# KiCad board PSEC5_Ctrl_Board.kicad_pcb
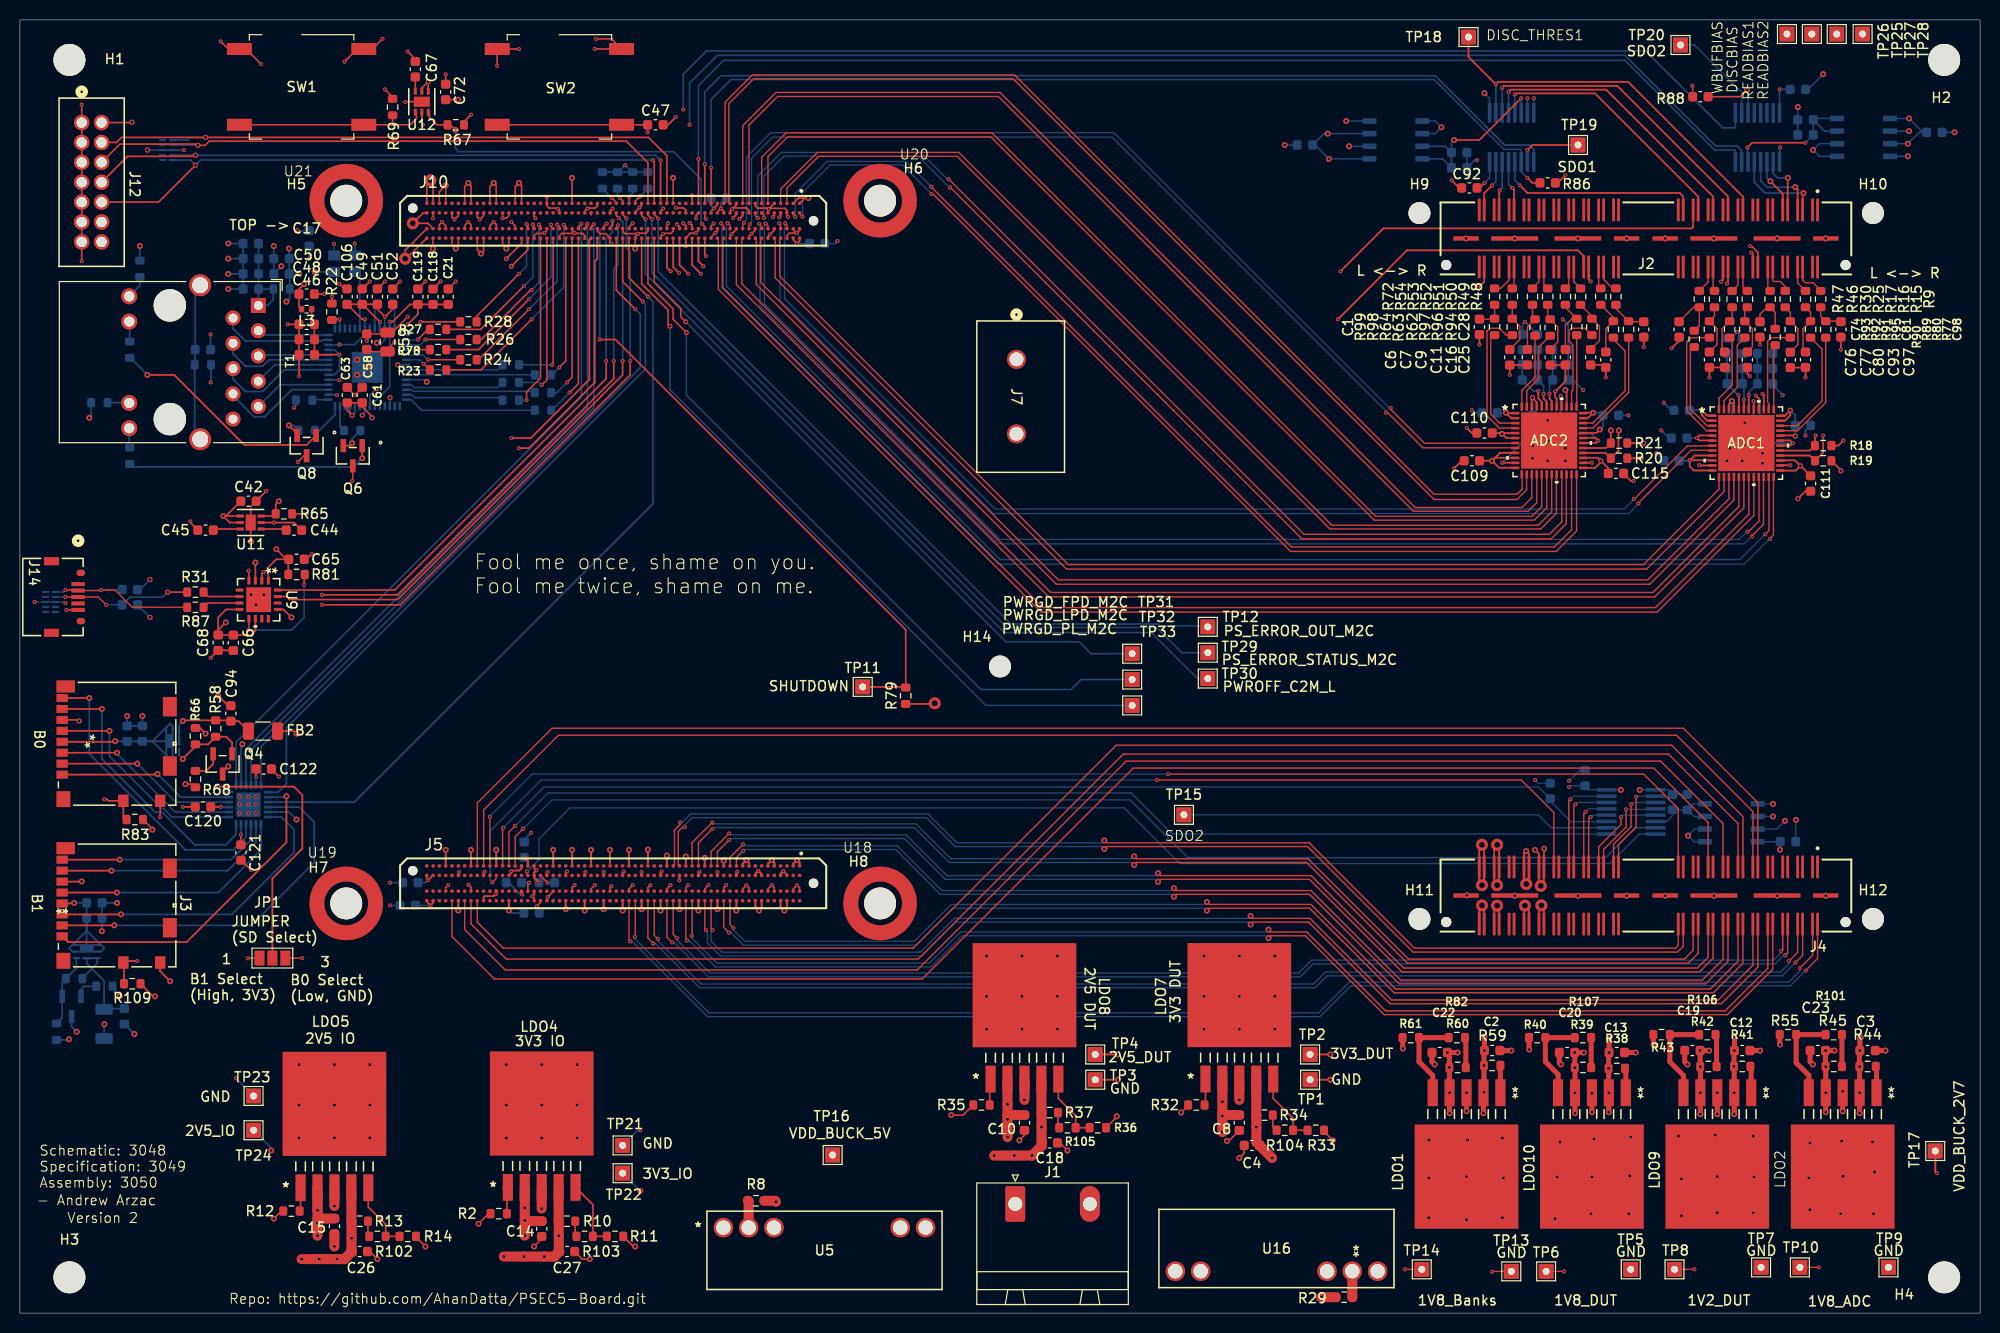
[diagram p0: board, top side]
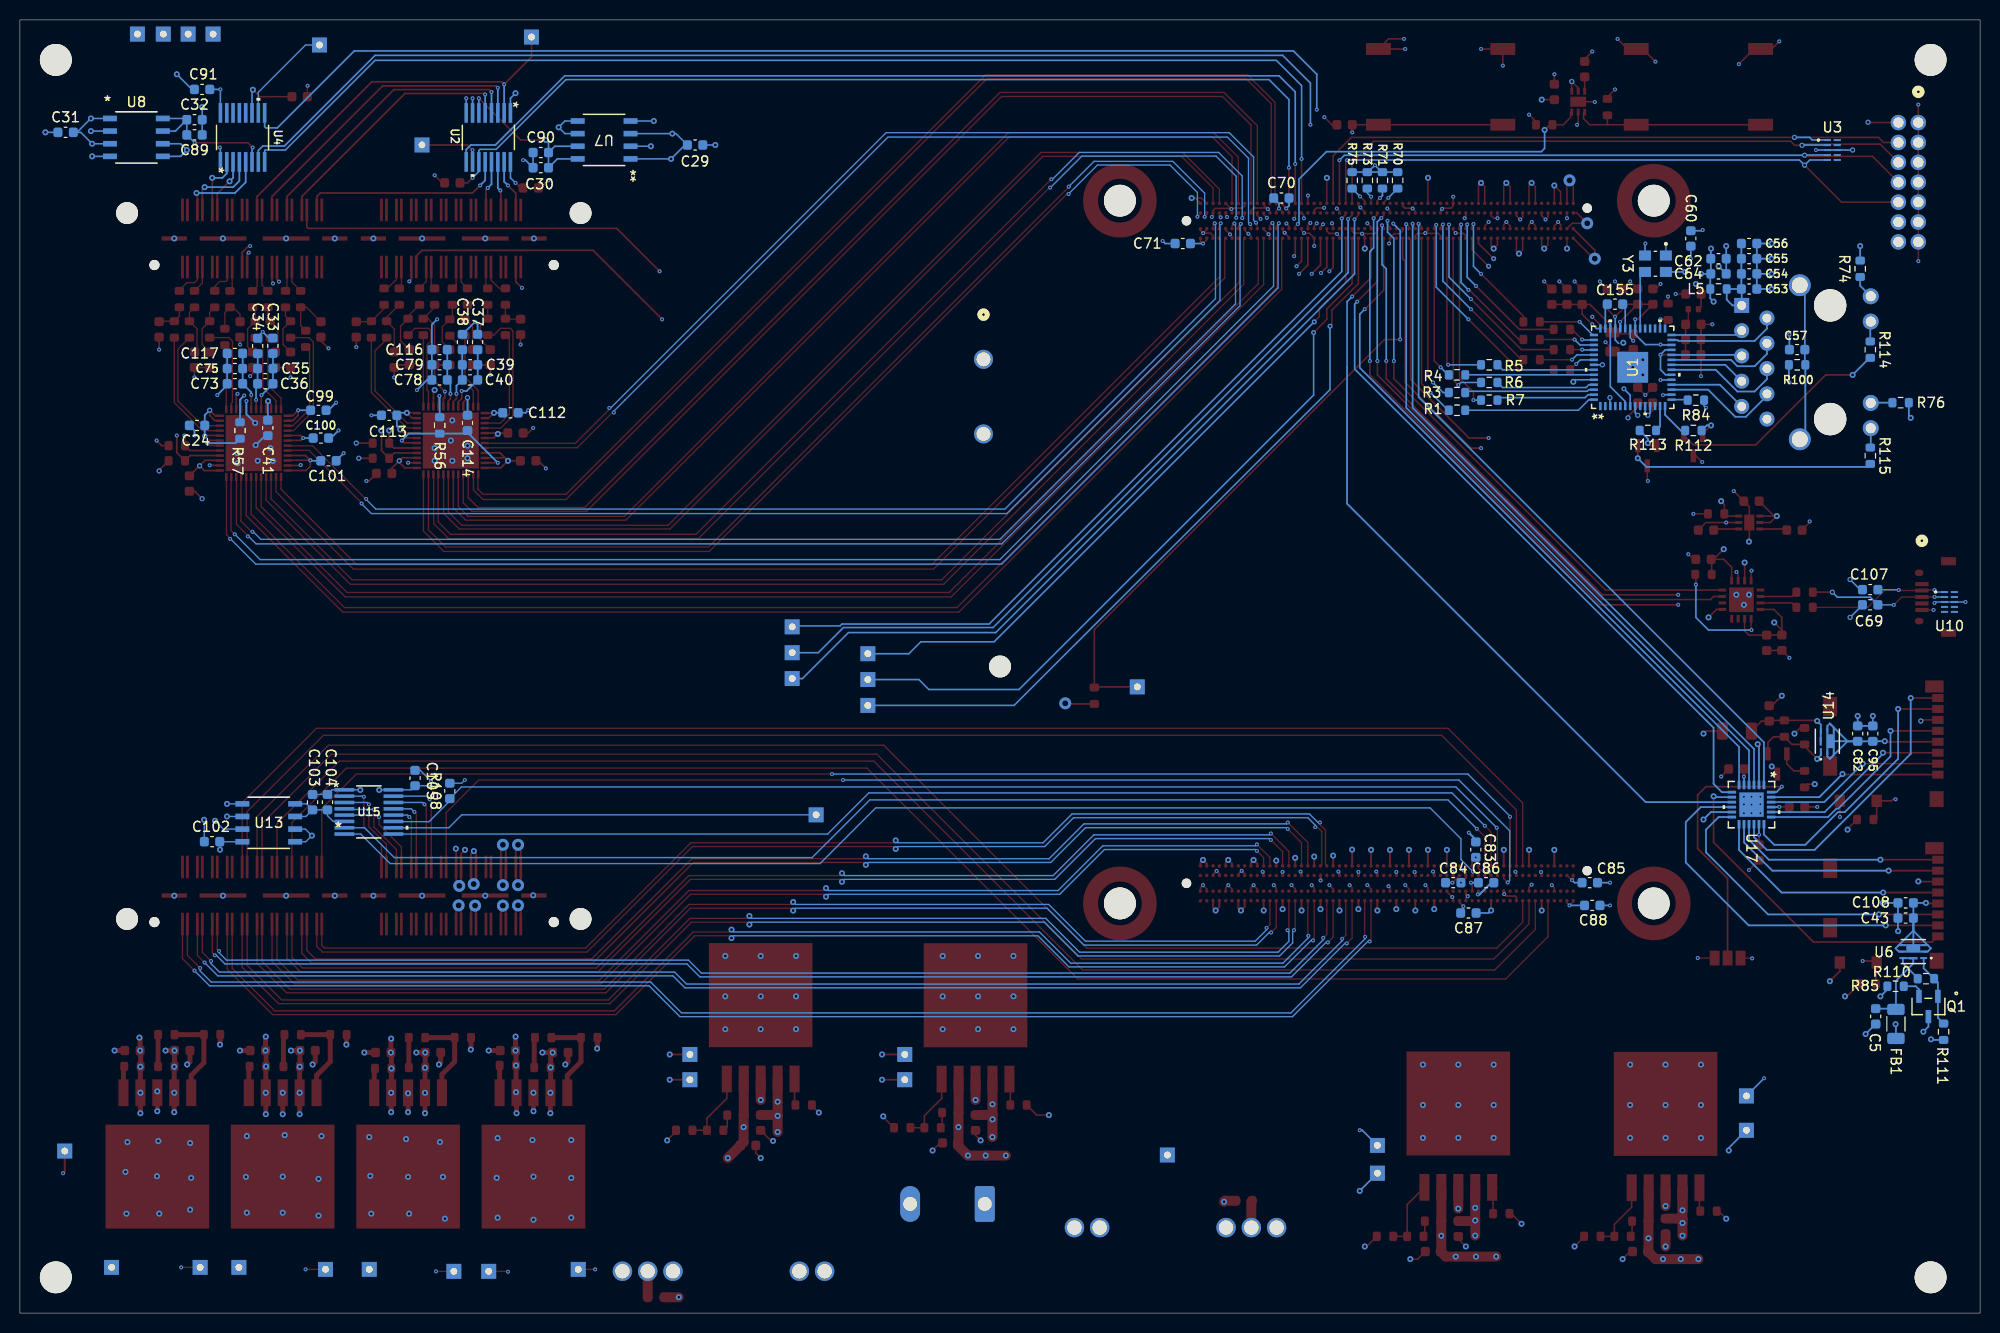
[diagram p1: board, bottom side, seen from below]

Outline 196.98 x 130.02 mm; copper layers: Top, In1.Cu (plane), In2.Cu, In3.Cu (plane), In4.Cu (plane), In5.Cu (plane), In6.Cu (plane), In7.Cu, In8.Cu (plane), Bottom. Coordinates in mm from the lower left corner of the outline.
Outline path: rectangle 0,130.02 196.98,0
Stack: Top 0.0175mm / dielectric 0.0925mm FR4 er 4.5 / In1.Cu 0.035mm / dielectric 0.13mm FR4 er 4.5 / In2.Cu 0.035mm / dielectric 0.196mm FR4 er 4.5 / In3.Cu 0.035mm / dielectric 0.13mm FR4 er 4.5 / In4.Cu 0.035mm / dielectric 0.196mm FR4 er 4.5 / In5.Cu 0.035mm / dielectric 0.13mm FR4 er 4.5 / In6.Cu 0.035mm / dielectric 0.196mm FR4 er 4.5 / In7.Cu 0.035mm / dielectric 0.13mm FR4 er 4.5 / In8.Cu 0.035mm / dielectric 0.0925mm FR4 er 4.5 / Bottom 0.0175mm

## Placement (name value [footprint] x y rotation side)
ADC1  AD9228ABCPZ-65  [CP_48_8_ADI]  173.49 87.47 0 top
ADC2  AD9228ABCPZ-65  [CP_48_8_ADI]  153.68 87.73 0 top
C1  39p  [C_0603_1608Metric]  146.67 99.16 270 top
C2  10u  [C_0603_1608Metric]  147.95 26.4 0 top
C3  10u  [C_0603_1608Metric]  185.68 26.4 0 top
C4  10u  [C_0603_1608Metric]  123.81 16.86 180 top
C5  10u/35V  [C_0603_1608Metric]  10.49 29.84 270 bottom
C6  39p  [C_0603_1608Metric]  149.72 96.09 270 top
C7  39p  [C_0603_1608Metric]  151.5 96.11 270 top
C8  10u  [C_0603_1608Metric]  122.54 19.15 270 top
C9  39p  [C_0603_1608Metric]  153.78 96.09 270 top
C10  10u  [C_0603_1608Metric]  100.95 19.15 270 top
C11  39p  [C_0603_1608Metric]  155.31 96.11 270 top
C12  10u  [C_0603_1608Metric]  173.07 26.4 0 top
C13  10u  [C_0603_1608Metric]  160.47 26.2 0 top
C14  10u  [C_0603_1608Metric]  52.44 8.48 270 top
C15  10u  [C_0603_1608Metric]  31.61 8.73 270 top
C16  39p  [C_0603_1608Metric]  157.85 96.11 270 top
C17  470n  [C_0603_1608Metric]  28.81 102.46 0 top
C18  10u  [C_0603_1608Metric]  103.49 17.11 0 top
C19  10u  [C_0603_1608Metric]  168.07 26.4 180 top
C20  10u  [C_0603_1608Metric]  155.47 26.2 180 top
C21  470n  [C_0603_1608Metric]  43.04 102.19 90 top
C22  10u  [C_0603_1608Metric]  142.68 26.2 180 top
C23  10u  [C_0603_1608Metric]  180.68 26.4 180 top
C24  0.1u  [C_0603_1608Metric]  179.18 89.25 0 bottom
C25  39p  [C_0603_1608Metric]  159.37 95.85 270 top
C26  10u  [C_0603_1608Metric]  34.15 6.19 0 top
C27  10u  [C_0603_1608Metric]  54.98 6.19 0 top
C28  39p  [C_0603_1608Metric]  163.18 98.9 270 top
C29  0.1u  [C_0603_1608Metric]  129.13 117.44 180 bottom
C30  1n  [C_0603_1608Metric]  144.64 115.16 0 bottom
C31  0.1u  [C_0603_1608Metric]  192.39 118.71 0 bottom
C32  1n  [C_0603_1608Metric]  179.44 119.98 180 bottom
C33  0.1u  [C_0603_1608Metric]  171.56 97.25 90 bottom
C34  0.1u  [C_0603_1608Metric]  173.09 97.24 90 bottom
C35  2.2u  [C_0603_1608Metric]  172.32 94.96 0 bottom
C36  0.1u  [C_0603_1608Metric]  172.32 93.44 0 bottom
C37  0.1u  [C_0603_1608Metric]  150.99 97.63 90 bottom
C38  0.1u  [C_0603_1608Metric]  152.51 97.63 90 bottom
C39  2.2u  [C_0603_1608Metric]  151.75 95.35 0 bottom
C40  0.1u  [C_0603_1608Metric]  151.75 93.82 0 bottom
C41  0.1u  [C_0603_1608Metric]  172.07 89 270 bottom
C42  10n  [C_0603_1608Metric]  22.97 81.63 0 top
C43  4.7u  [C_0603_1608Metric]  7.48 39.72 0 bottom
C44  100n  [C_0603_1608Metric]  27.55 78.72 0 top
C45  100n  [C_0603_1608Metric]  18.66 78.72 180 top
C46  470n  [C_0603_1608Metric]  28.83 96.36 180 top
C47  100n  [C_0603_1608Metric]  63.87 119.48 0 top
C48  470n  [C_0603_1608Metric]  28.83 97.89 180 top
C49  470n  [C_0603_1608Metric]  34.4 102.2 90 top
C50  470n  [C_0603_1608Metric]  28.81 99.41 180 top
C51  470n  [C_0603_1608Metric]  35.93 102.2 90 top
C52  4.7u  [C_0603_1608Metric]  37.46 102.19 90 top
C53  100n  [C_0603_1608Metric]  23.21 102.97 180 bottom
C54  100n  [C_0603_1608Metric]  23.21 104.49 180 bottom
C55  100n  [C_0603_1608Metric]  23.21 106.01 180 bottom
C56  100n  [C_0603_1608Metric]  23.21 107.54 180 bottom
C57  47p  [C_0603_1608Metric]  18.39 96.87 0 bottom
C58  470n  [C_0603_1608Metric]  34.86 97.68 270 top
C59  100u  [C_0805_2012Metric]  36.94 97.63 270 top
C60  10n  [C_0603_1608Metric]  29.07 108.05 270 bottom
C61  470n  [C_0603_1608Metric]  34.4 92.3 90 top
C62  100n  [C_0603_1608Metric]  26.29 106.01 180 bottom
C63  470n  [C_0603_1608Metric]  32.91 92.3 90 top
C64  100n  [C_0603_1608Metric]  26.29 104.49 180 bottom
C65  100n  [C_0603_1608Metric]  27.8 75.79 0 top
C66  4.7u  [C_0603_1608Metric]  21.45 67.39 270 top
C67  100n  [C_0603_1608Metric]  39.74 125.06 90 top
C68  4.7u  [C_0603_1608Metric]  19.92 67.41 270 top
C69  47p  [C_0603_1608Metric]  11.05 71.22 0 bottom
C70  100n  [C_0603_1608Metric]  70.22 112.11 180 bottom
C71  100n  [C_0603_1608Metric]  80.12 107.54 0 bottom
C72  10n  [C_0603_1608Metric]  42.78 122.78 270 top
C73  0.02u  [C_0603_1608Metric]  175.37 93.44 0 bottom
C74  39p  [C_0603_1608Metric]  166.74 98.9 270 top
C75  0.1u  [C_0603_1608Metric]  175.37 94.96 0 bottom
C76  39p  [C_0603_1608Metric]  169.78 95.85 270 top
C77  39p  [C_0603_1608Metric]  171.31 95.85 270 top
C78  0.02u  [C_0603_1608Metric]  154.81 93.82 0 bottom
C79  0.1u  [C_0603_1608Metric]  154.81 95.35 0 bottom
C80  39p  [C_0603_1608Metric]  173.59 95.85 270 top
C81  39p  [C_0603_1608Metric]  174.87 98.9 270 top
C82  4.7u  [C_0603_1608Metric]  12.31 58.26 90 bottom
C83  100n  [C_0603_1608Metric]  50.67 46.6 90 bottom
C84  100n  [C_0603_1608Metric]  52.94 43.28 180 bottom
C85  100n  [C_0603_1608Metric]  39.23 43.28 180 bottom
C86  100n  [C_0603_1608Metric]  49.64 43.28 180 bottom
C87  100n  [C_0603_1608Metric]  51.42 40.23 180 bottom
C88  100n  [C_0603_1608Metric]  38.97 40.99 180 bottom
C89  0.1u  [C_0603_1608Metric]  179.44 118.46 180 bottom
C90  0.1u  [C_0603_1608Metric]  144.64 116.68 0 bottom
C91  0.1u  [C_0603_1608Metric]  178.68 123.03 0 bottom
C92  0.1u  [C_0603_1608Metric]  145.66 113.13 180 top
C93  39p  [C_0603_1608Metric]  177.91 95.84 270 top
C94  10u/35V  [C_0603_1608Metric]  21.19 60.29 90 top
C95  1u  [C_0603_1608Metric]  10.78 58.26 90 bottom
C97  39p  [C_0603_1608Metric]  179.44 95.85 270 top
C98  39p  [C_0603_1608Metric]  182.99 98.9 270 top
C99  0.1u  [C_0603_1608Metric]  166.99 90.77 180 bottom
C100  0.1u  [C_0603_1608Metric]  166.74 87.98 180 bottom
C101  0.1u  [C_0603_1608Metric]  165.97 85.69 180 bottom
C102  0.1u  [C_0603_1608Metric]  177.68 47.4 180 bottom
C103  1n  [C_0603_1608Metric]  167.57 51.37 90 bottom
C104  0.1u  [C_0603_1608Metric]  166.07 51.37 90 bottom
C105  0.1u  [C_0603_1608Metric]  157.28 53.8 90 bottom
C106  470n  [C_0603_1608Metric]  32.88 102.2 90 top
C107  47p  [C_0603_1608Metric]  11.05 72.74 0 bottom
C108  1u  [C_0603_1608Metric]  7.48 41.24 0 bottom
C109  0.1u  [C_0603_1608Metric]  145.91 85.69 180 top
C110  0.1u  [C_0603_1608Metric]  147.18 88.49 180 top
C111  0.1u  [C_0603_1608Metric]  179.94 83.41 270 top
C112  0.1u  [C_0603_1608Metric]  147.69 90.52 180 bottom
C113  0.1u  [C_0603_1608Metric]  159.88 90.27 0 bottom
C114  0.1u  [C_0603_1608Metric]  152 89.5 270 bottom
C115  0.1u  [C_0603_1608Metric]  160.39 84.42 0 top
C116  1u  [C_0603_1608Metric]  154.81 96.87 0 bottom
C117  1u  [C_0603_1608Metric]  175.37 96.49 0 bottom
C118  470n  [C_0603_1608Metric]  41.52 102.19 90 top
C119  4.7u  [C_0603_1608Metric]  39.99 102.19 90 top
C120  100n  [C_0603_1608Metric]  18.4 50.9 180 top
C121  100n  [C_0603_1608Metric]  22.21 46.31 270 top
C122  100n  [C_0603_1608Metric]  24.5 54.71 0 top
C155  470n  [C_0603_1608Metric]  36.69 101.44 180 bottom
FB1  300R/3A  [R_1206_3216Metric]  8.46 29.08 270 bottom
FB2  300R/3A  [R_1206_3216Metric]  24.44 58.52 0 top
H1  MountingHole  [MountingHole_3.2mm_M3_DIN965]  4.97 126 0 top
H2  MountingHole  [MountingHole_3.2mm_M3_DIN965]  193.38 126 0 top
H3  MountingHole  [MountingHole_3.2mm_M3_DIN965]  4.97 3.6 0 top
H4  MountingHole  [MountingHole_3.2mm_M3_DIN965]  193.38 3.6 0 top
H5  MountingHole  [MountingHole_3.2mm_M3_DIN965]  32.79 111.84 0 top
H6  MountingHole  [MountingHole_3.2mm_M3_DIN965]  86.44 111.84 0 top
H7  MountingHole  [MountingHole_3.2mm_M3_DIN965]  32.79 41.19 0 top
H8  MountingHole  [MountingHole_3.2mm_M3_DIN965]  86.44 41.19 0 top
H9  MountingHole  [MountingHole_2.2mm_M2_DIN965]  140.64 110.6 0 top
H10  MountingHole  [MountingHole_2.2mm_M2_DIN965]  186.22 110.6 0 top
H11  MountingHole  [MountingHole_2.2mm_M2_DIN965]  140.64 39.63 0 top
H12  MountingHole  [MountingHole_2.2mm_M2_DIN965]  186.22 39.63 0 top
H14  MountingHole  [MountingHole_2.2mm_M2_DIN965]  98.49 65.01 0 top
J1  1766343  [PhoenixContact_GMSTBA_2,5_2-G_1x02_P7.50mm_Horizontal]  100.03 10.97 0 top
J2  QSH-040-01-X-D-DP-A  [SAMTEC_QSH-040-01-X-D-DP-A]  163.4 108.05 180 top
J3  1040310811  [104031-0811_MOL]  9.77 40.99 270 top
J4  QSH-040-01-X-D-DP-A  [SAMTEC_QSH-040-01-X-D-DP-A]  163.4 41.99 180 top
J5  ADM6-60-01.5-L-4-2-A-TR (1)  [SAMTEC_ADM6-60-01.5-L-4-2-A-TR]  59.62 43.21 0 top
J6  1040310811  [104031-0811_MOL]  9.77 57.25 270 top
J7  1766453  [CONN_1766453]  100.15 88.39 270 top
J10  ADM6-60-01.5-L-4-2-A-TR  [SAMTEC_ADM6-60-01.5-L-4-2-A-TR]  59.62 109.82 0 top
J12  878311420  [CONN_87831-1420_MOL]  6.21 119.7 270 top
J14  ZX62D-B-5P830  [ZX62D-B-5P830_HIR]  3.32 72 270 top
JP1  Jumper_3_Bridged12  [SolderJumper-3_P1.3mm_Open_Pad1.0x1.5mm_NumberLabels]  25.38 35.7 0 top
L3  220R @ 100mHz  [R_0402_1005Metric]  28.81 100.93 180 top
L5  220R@100MHz  [R_0603_1608Metric]  26.29 102.97 0 bottom
LDO1  LP38501TS-ADJ/NOPB  [TS5B]  145.38 13.88 180 top
LDO2  LP38501TS-ADJ/NOPB  [TS5B]  183.18 13.88 180 top
LDO4  LP38501TS-ADJ/NOPB  [TS5B]  52.44 20.92 0 top
LDO5  LP38501TS-ADJ/NOPB  [TS5B]  31.61 20.88 0 top
LDO7  LP38501TS-ADJ/NOPB  [TS5B]  122.54 31.82 0 top
LDO8  LP38501TS-ADJ/NOPB  [TS5B]  100.95 31.81 0 top
LDO9  LP38501TS-ADJ/NOPB  [TS5B]  170.57 13.88 180 top
LDO10  LP38501TS-ADJ/NOPB  [TS5B]  157.97 13.88 180 top
Q1  2N7002BK,215  [SOT-23_TO-236_VIS]  5.19 30.83 0 bottom
Q4  2N7002BK,215  [SOT-23_TO-236_VIS]  20.37 55.21 180 top
Q6  2N7002BK,215  [SOT-23_TO-236_VIS]  33.45 86.2 180 top
Q8  2N7002BK,215  [SOT-23_TO-236_VIS]  28.81 87.22 180 top
R1  22R 1%  [R_0603_1608Metric]  52.56 90.77 180 bottom
R2  10k  [R_0603_1608Metric]  48.12 10 0 top
R3  22R 1%  [R_0603_1608Metric]  52.56 92.55 180 bottom
R4  22R 1%  [R_0603_1608Metric]  52.56 94.33 180 bottom
R5  22R 1%  [R_0603_1608Metric]  49.33 95.35 180 bottom
R6  22R 1%  [R_0603_1608Metric]  49.33 93.57 180 bottom
R7  22R 1%  [R_0603_1608Metric]  49.33 91.79 180 bottom
R8  1.472k  [R_0603_1608Metric]  73.97 11.3 180 top
R9  33.2R  [R_0603_1608Metric]  180.96 101.95 270 top
R10  34k  [R_0603_1608Metric]  54.98 9.24 0 top
R11  10k  [R_0603_1608Metric]  59.8 7.72 0 top
R12  10k  [R_0603_1608Metric]  27.29 10.26 0 top
R13  20k  [R_0603_1608Metric]  34.15 9.24 0 top
R14  10k  [R_0603_1608Metric]  38.97 7.72 0 top
R15  33.2R  [R_0603_1608Metric]  179.44 101.95 270 top
R16  33.2R  [R_0603_1608Metric]  177.41 101.95 270 top
R17  33.2R  [R_0603_1608Metric]  175.88 101.95 270 top
R18  5k  [R_0603_1608Metric]  181.22 87.22 180 top
R19  5k  [R_0603_1608Metric]  181.22 85.69 180 top
R20  5k  [R_0603_1608Metric]  160.7 85.95 180 top
R21  5k  [R_0603_1608Metric]  160.7 87.47 180 top
R22  4k99  [R_0603_1608Metric]  31.36 100.68 90 top
R23  22  [R_0603_1608Metric]  42.02 94.84 0 top
R24  22  [R_0603_1608Metric]  45.07 95.85 0 top
R25  33.2R  [R_0603_1608Metric]  173.59 101.95 270 top
R26  22  [R_0603_1608Metric]  45.07 97.89 0 top
R27  22  [R_0603_1608Metric]  42.02 98.9 0 top
R28  22  [R_0603_1608Metric]  45.07 99.66 0 top
R29  4.42k  [R_0603_1608Metric]  133.07 1.6 0 top
R30  33.2R  [R_0603_1608Metric]  172.07 101.95 270 top
R31  R_US  [R_0603_1608Metric]  17.64 72.49 180 top
R32  10k  [R_0603_1608Metric]  118.22 20.92 0 top
R33  10k  [R_0603_1608Metric]  130.22 18.38 0 top
R34  34k  [R_0603_1608Metric]  125.08 19.91 0 top
R35  10k  [R_0603_1608Metric]  96.63 20.92 0 top
R36  10k  [R_0603_1608Metric]  108.32 18.64 0 top
R37  20k  [R_0603_1608Metric]  103.49 20.16 0 top
R38  10k  [R_0603_1608Metric]  160.47 24.6 0 top
R39  14.7k  [R_0603_1608Metric]  157.07 24.7 0 top
R40  10k  [R_0603_1608Metric]  152.47 27.7 180 top
R41  10k  [R_0603_1608Metric]  173.07 24.8 0 top
R42  6.8k  [R_0603_1608Metric]  169.68 24.8 0 top
R43  10k  [R_0603_1608Metric]  164.97 28 180 top
R44  10k  [R_0603_1608Metric]  185.68 24.8 0 top
R45  14.7k  [R_0603_1608Metric]  182.28 24.8 0 top
R46  33.2R  [R_0603_1608Metric]  170.29 101.95 270 top
R47  33.2R  [R_0603_1608Metric]  168.77 101.95 270 top
R48  33.2R  [R_0603_1608Metric]  160.39 102.2 270 top
R49  33.2R  [R_0603_1608Metric]  158.86 102.2 270 top
R50  33.2R  [R_0603_1608Metric]  156.83 102.2 270 top
R51  33.2R  [R_0603_1608Metric]  155.31 102.2 270 top
R52  33.2R  [R_0603_1608Metric]  153.53 102.2 270 top
R53  33.2R  [R_0603_1608Metric]  152 102.2 270 top
R54  33.2R  [R_0603_1608Metric]  149.97 102.2 270 top
R55  10k  [R_0603_1608Metric]  177.68 28 180 top
R56  10k  [R_0603_1608Metric]  154.8 89.25 270 bottom
R57  10k  [R_0603_1608Metric]  174.87 88.74 270 bottom
R58  10k  [R_0603_1608Metric]  19.67 58.77 270 top
R59  10k  [R_0603_1608Metric]  147.95 24.9 0 top
R60  14.7k  [R_0603_1608Metric]  144.47 24.7 0 top
R61  10k  [R_0603_1608Metric]  139.78 27.7 180 top
R62  10R  [R_0603_1608Metric]  156.45 99.16 270 top
R63  10R  [R_0603_1608Metric]  153.78 99.09 270 top
R64  10R  [R_0603_1608Metric]  152.26 99.09 270 top
R65  10k  [R_0603_1608Metric]  26.53 80.36 180 top
R66  470k  [R_0603_1608Metric]  17.64 58.01 90 top
R67  10k  [R_0603_1608Metric]  43.8 119.48 180 top
R68  10k  [R_0603_1608Metric]  17.64 53.69 90 top
R69  10k  [R_0603_1608Metric]  37.45 121.25 270 top
R70  DNP  [R_0603_1608Metric]  58.53 113.89 270 bottom
R71  DNP  [R_0603_1608Metric]  60.06 113.89 270 bottom
R72  33.2R  [R_0603_1608Metric]  148.19 102.2 270 top
R73  DNP  [R_0603_1608Metric]  61.58 113.89 270 bottom
R74  240R  [R_0603_1608Metric]  12.05 105 90 bottom
R75  DNP  [R_0603_1608Metric]  63.11 113.89 270 bottom
R76  240R  [R_0603_1608Metric]  7.99 91.54 180 bottom
R77  10R  [R_0603_1608Metric]  181.47 98.9 270 top
R78  22  [R_0603_1608Metric]  42.02 96.87 0 top
R79  10k  [R_0603_1608Metric]  89.01 62.07 90 top
R80  10R  [R_0603_1608Metric]  179.94 98.9 270 top
R81  10k  [R_0603_1608Metric]  27.8 74.26 180 top
R82  4.99k  [R_0603_1608Metric]  144.4 27.7 180 top
R83  47k  [R_0603_1608Metric]  11.54 49.63 180 top
R84  10k  [R_0603_1608Metric]  28.56 91.79 0 bottom
R85  10k  [R_0603_1608Metric]  8.5 32.86 180 bottom
R86  5k  [C_0603_1608Metric]  153.53 113.63 0 top
R87  R_US  [R_0603_1608Metric]  17.64 70.96 180 top
R88  5k  [C_0603_1608Metric]  168.88 122.3 180 top
R89  10R  [R_0603_1608Metric]  177.91 98.9 270 top
R90  10R  [R_0603_1608Metric]  176.39 98.14 270 top
R91  10R  [R_0603_1608Metric]  171.82 98.9 270 top
R92  10R  [R_0603_1608Metric]  169.78 98.9 270 top
R93  10R  [R_0603_1608Metric]  168.26 97.95 270 top
R94  10R  [R_0603_1608Metric]  161.66 98.9 270 top
R95  10R  [R_0603_1608Metric]  173.34 98.9 270 top
R96  10R  [R_0603_1608Metric]  160.13 98.9 270 top
R97  10R  [R_0603_1608Metric]  157.97 99.16 270 top
R98  10R  [R_0603_1608Metric]  149.97 99.16 270 top
R99  10R  [R_0603_1608Metric]  148.19 99.16 270 top
R100  1M2  [R_0603_1608Metric]  18.39 95.35 0 bottom
R101  4.99k  [R_0603_1608Metric]  182.28 28 180 top
R102  11.3k  [R_0603_1608Metric]  35.93 7.72 0 top
R103  10.5k  [R_0603_1608Metric]  56.75 7.72 0 top
R104  10.5k  [R_0603_1608Metric]  127.11 18.38 0 top
R105  11.3k  [R_0603_1608Metric]  105.27 18.64 0 top
R106  3.03k  [R_0603_1608Metric]  169.57 28 180 top
R107  4.99k  [R_0603_1608Metric]  157.07 27.7 180 top
R108  5k  [C_0603_1608Metric]  153.78 52.5 90 bottom
R109  47k  [R_0603_1608Metric]  11.29 33.12 180 top
R110  10k  [R_0603_1608Metric]  5.45 33.62 180 bottom
R111  470k  [R_0603_1608Metric]  3.67 28.29 270 bottom
R112  10k  [R_0603_1608Metric]  28.81 88.74 180 bottom
R113  10k  [R_0603_1608Metric]  33.39 88.74 0 bottom
R114  0R  [R_0603_1608Metric]  11.03 96.87 270 bottom
R115  0R  [R_0603_1608Metric]  11.03 86.2 270 bottom
SW1  SW_MEC_5G  [SW_MEC_5GSH9]  28.31 123.29 270 top
SW2  SW_MEC_5G  [SW_MEC_5GSH9]  54.22 123.29 270 top
T1  7499111446  [RJ45_Wuerth_7499111446_Horizontal]  23.96 101.31 270 top
TP1  GND  [TestPoint_THTPad_1.5x1.5mm_Drill0.7mm]  129.65 23.46 0 top
TP2  3V3_DUT  [TestPoint_THTPad_1.5x1.5mm_Drill0.7mm]  129.65 26 0 top
TP3  GND  [TestPoint_THTPad_1.5x1.5mm_Drill0.7mm]  108.06 23.46 0 top
TP4  2V5_DUT  [TestPoint_THTPad_1.5x1.5mm_Drill0.7mm]  108.06 26 0 top
TP5  GND  [TestPoint_THTPad_1.5x1.5mm_Drill0.7mm]  161.88 4.4 0 top
TP6  1V8_DUT  [TestPoint_THTPad_1.5x1.5mm_Drill0.7mm]  153.38 4.2 0 top
TP7  GND  [TestPoint_THTPad_1.5x1.5mm_Drill0.7mm]  174.97 4.6 0 top
TP8  1V2_DUT  [TestPoint_THTPad_1.5x1.5mm_Drill0.7mm]  166.28 4.4 0 top
TP9  GND  [TestPoint_THTPad_1.5x1.5mm_Drill0.7mm]  187.78 4.6 0 top
TP10  1V8_ADC  [TestPoint_THTPad_1.5x1.5mm_Drill0.7mm]  178.88 4.6 0 top
TP11  SHUTDOWN  [TestPoint_THTPad_1.5x1.5mm_Drill0.7mm]  84.69 62.96 0 top
TP12  PS_ERROR_OUT_M2C  [TestPoint_THTPad_1.5x1.5mm_Drill0.7mm]  119.38 69 0 top
TP13  GND  [TestPoint_THTPad_1.5x1.5mm_Drill0.7mm]  149.88 4.2 0 top
TP14  1V8_Bank  [TestPoint_THTPad_1.5x1.5mm_Drill0.7mm]  140.88 4.4 0 top
TP15  SDO2  [TestPoint_THTPad_1.5x1.5mm_Drill0.7mm]  116.97 50.1 0 top
TP16  VDD_BUCK_5V  [TestPoint_THTPad_1.5x1.5mm_Drill0.7mm]  81.68 15.9 0 top
TP17  VDD_BUCK_2V7  [TestPoint_THTPad_1.5x1.5mm_Drill0.7mm]  192.47 16.3 0 top
TP18  DAC_THRES1_OUT  [TestPoint_THTPad_1.5x1.5mm_Drill0.7mm]  145.57 128.3 0 top
TP19  SDO2  [TestPoint_THTPad_1.5x1.5mm_Drill0.7mm]  156.58 117.44 90 top
TP20  SDO2  [TestPoint_THTPad_1.5x1.5mm_Drill0.7mm]  166.88 127.5 0 top
TP21  GND  [TestPoint_THTPad_1.5x1.5mm_Drill0.7mm]  60.56 16.86 0 top
TP22  3V3_IO  [TestPoint_THTPad_1.5x1.5mm_Drill0.7mm]  60.56 14.07 0 top
TP23  GND  [TestPoint_THTPad_1.5x1.5mm_Drill0.7mm]  23.48 21.83 0 top
TP24  2V5_IO  [TestPoint_THTPad_1.5x1.5mm_Drill0.7mm]  23.48 18.38 0 top
TP25  DAC_DISCBIAS_OUT  [TestPoint_THTPad_1.5x1.5mm_Drill0.7mm]  180.07 128.6 0 top
TP26  DAC_WBUFBIAS_OUT  [TestPoint_THTPad_1.5x1.5mm_Drill0.7mm]  177.57 128.6 0 top
TP27  DAC_READBIAS1_OUT  [TestPoint_THTPad_1.5x1.5mm_Drill0.7mm]  182.57 128.6 0 top
TP28  DAC_READBIAS2_OUT  [TestPoint_THTPad_1.5x1.5mm_Drill0.7mm]  185.18 128.6 0 top
TP29  PS_ERROR_STATUS_M2C  [TestPoint_THTPad_1.5x1.5mm_Drill0.7mm]  119.38 66.4 0 top
TP30  PWROFF_C2M_L  [TestPoint_THTPad_1.5x1.5mm_Drill0.7mm]  119.38 63.8 0 top
TP31  PWRGD_FPD_M2C  [TestPoint_THTPad_1.5x1.5mm_Drill0.7mm]  111.78 66.3 0 top
TP32  PWRGD_LPD_M2C  [TestPoint_THTPad_1.5x1.5mm_Drill0.7mm]  111.78 63.7 0 top
TP33  PWRGD_PL_M2C  [TestPoint_THTPad_1.5x1.5mm_Drill0.7mm]  111.78 61.1 0 top
U1  88E1512-A0-NNP2C000  [QFN_56P_MTG]  34.91 95.09 90 bottom
U2  LTC2600CGN_PBF  [SSOP-16_GN]  149.91 118.21 270 bottom
U3  PUSB3FR4Z  [U_PUSB3FR4Z_NEX]  14.84 116.94 180 bottom
U4  LTC2600CGN_PBF  [SSOP-16_GN]  174.61 118.21 90 bottom
U5  OKX-T/5-D12N-C  [OKX-T&slash_5-D12N-C_MUR]  70.69 8.6 0 top
U6  SIA427ADJ-T1-GE3  [SON_1DJ-T1-GE3_VIS]  6.72 36.35 0 bottom
U7  MCP1501-25E/SN  [SOIC8_NARROW_SN_MCH]  138.28 117.95 0 bottom
U8  MCP1501-25E/SN  [SOIC8_NARROW_SN_MCH]  185.28 118.21 180 bottom
U9  FT230XQ-R  [QFN-16_FTD]  23.99 71.72 270 top
U10  PUSB3FR4Z  [U_PUSB3FR4Z_NEX]  3.08 71.5 180 bottom
U11  TPS3808G01QDRVRQ1  [DRV6_1P6X1]  23.19 79.48 0 top
U12  TPS3808G01QDRVRQ1  [DRV6_1P6X1]  40.39 121.8 270 top
U13  MCP1501-25E/SN  [SOIC8_NARROW_SN_MCH]  171.97 49.3 180 bottom
U14  SIA427ADJ-T1-GE3  [SON_1DJ-T1-GE3_VIS]  15.35 57.5 90 bottom
U15  LTC2600CGN_PBF  [SSOP-16_GN]  161.91 50.39 180 bottom
U16  OKX-T/5-D12N-C  [OKX-T&slash_5-D12N-C_MUR]  136.44 4.21 180 top
U17  TXS02612RTWR  [RTW24_2P45X2P45]  22.97 51.12 270 bottom
U18  ~  [9774050360R]  86.44 41.19 0 top
U19  ~  [9774050360R]  32.79 41.19 0 top
U20  ~  [9774050360R]  86.44 111.84 0 top
U21  ~  [9774050360R]  32.79 111.84 0 top
Y3  ASE2-25.000MHZ-ET  [XTAL_ASE2-25.000MHZ-ET]  32.62 105.51 270 bottom
